# Altium PCB Srt.PcbDoc (part 1 of 2)
Units mm, origin at the board's own origin, x right, y up, seen from the top; angles counter-clockwise.
Board outline 65.29 x 47.26 mm, 2 copper layers (Top Layer, Bottom Layer); 197 components, 133 nets, 629 pads, 293 vias.
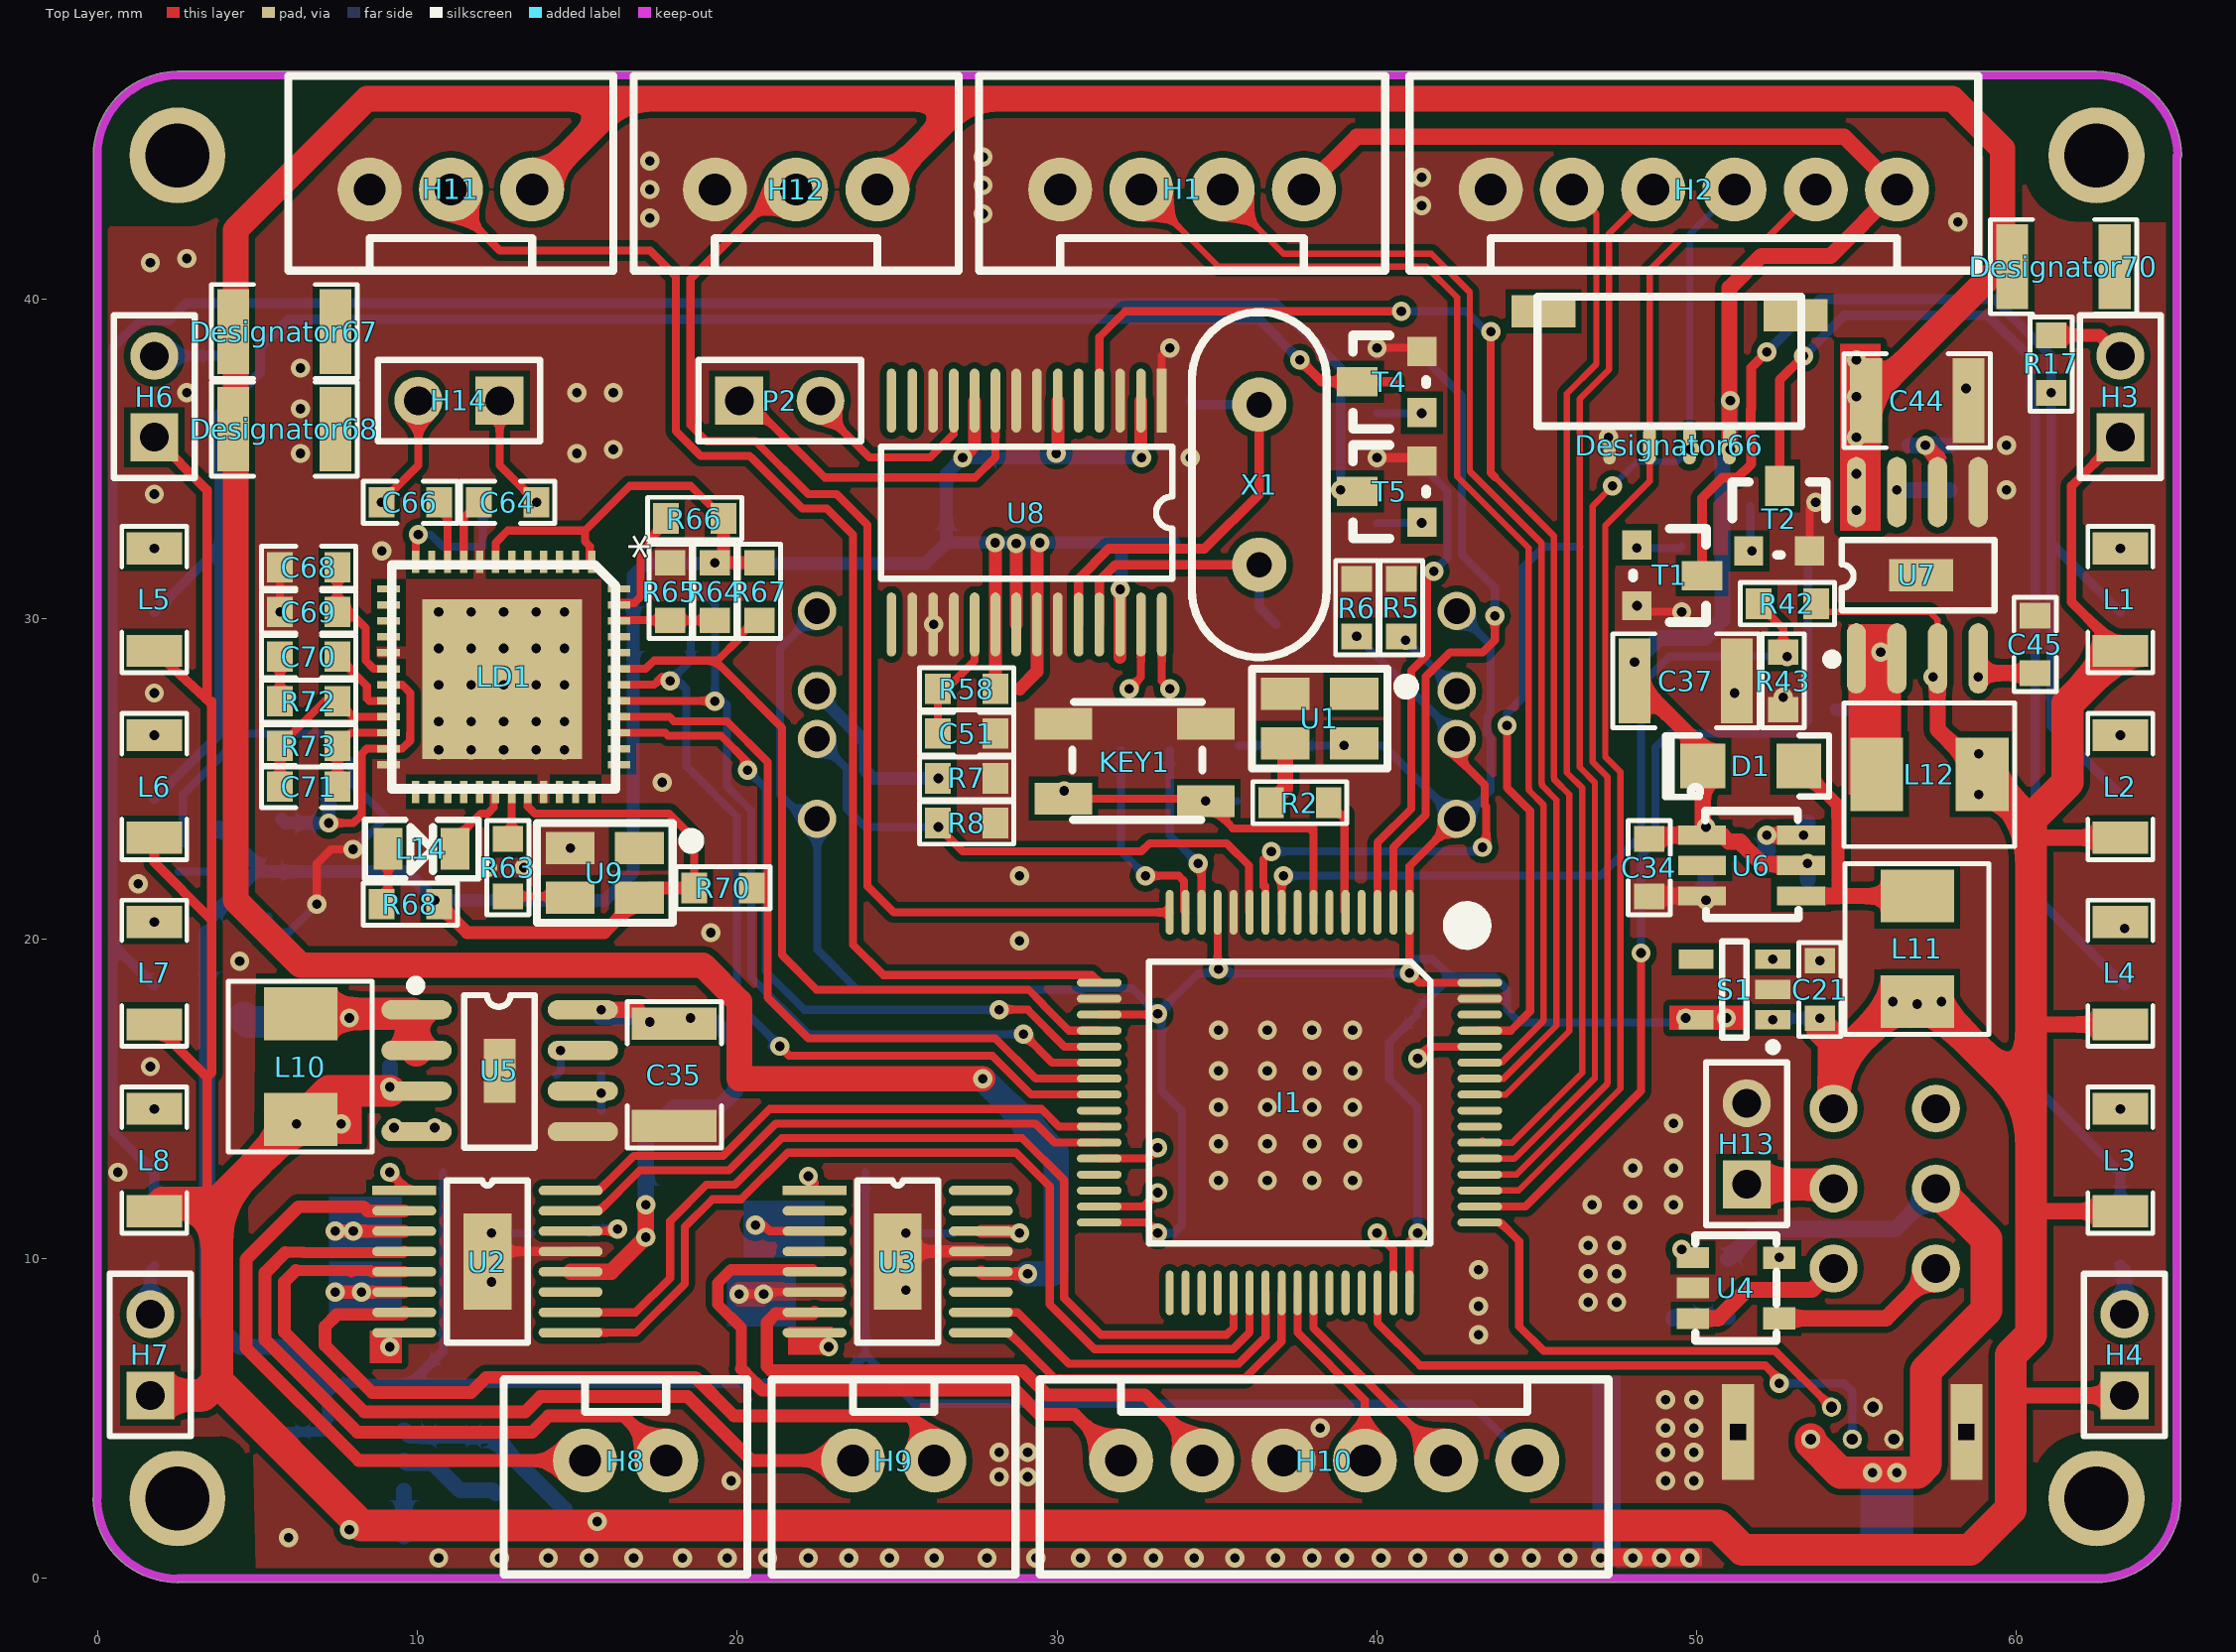
[diagram p0: Top Layer view]
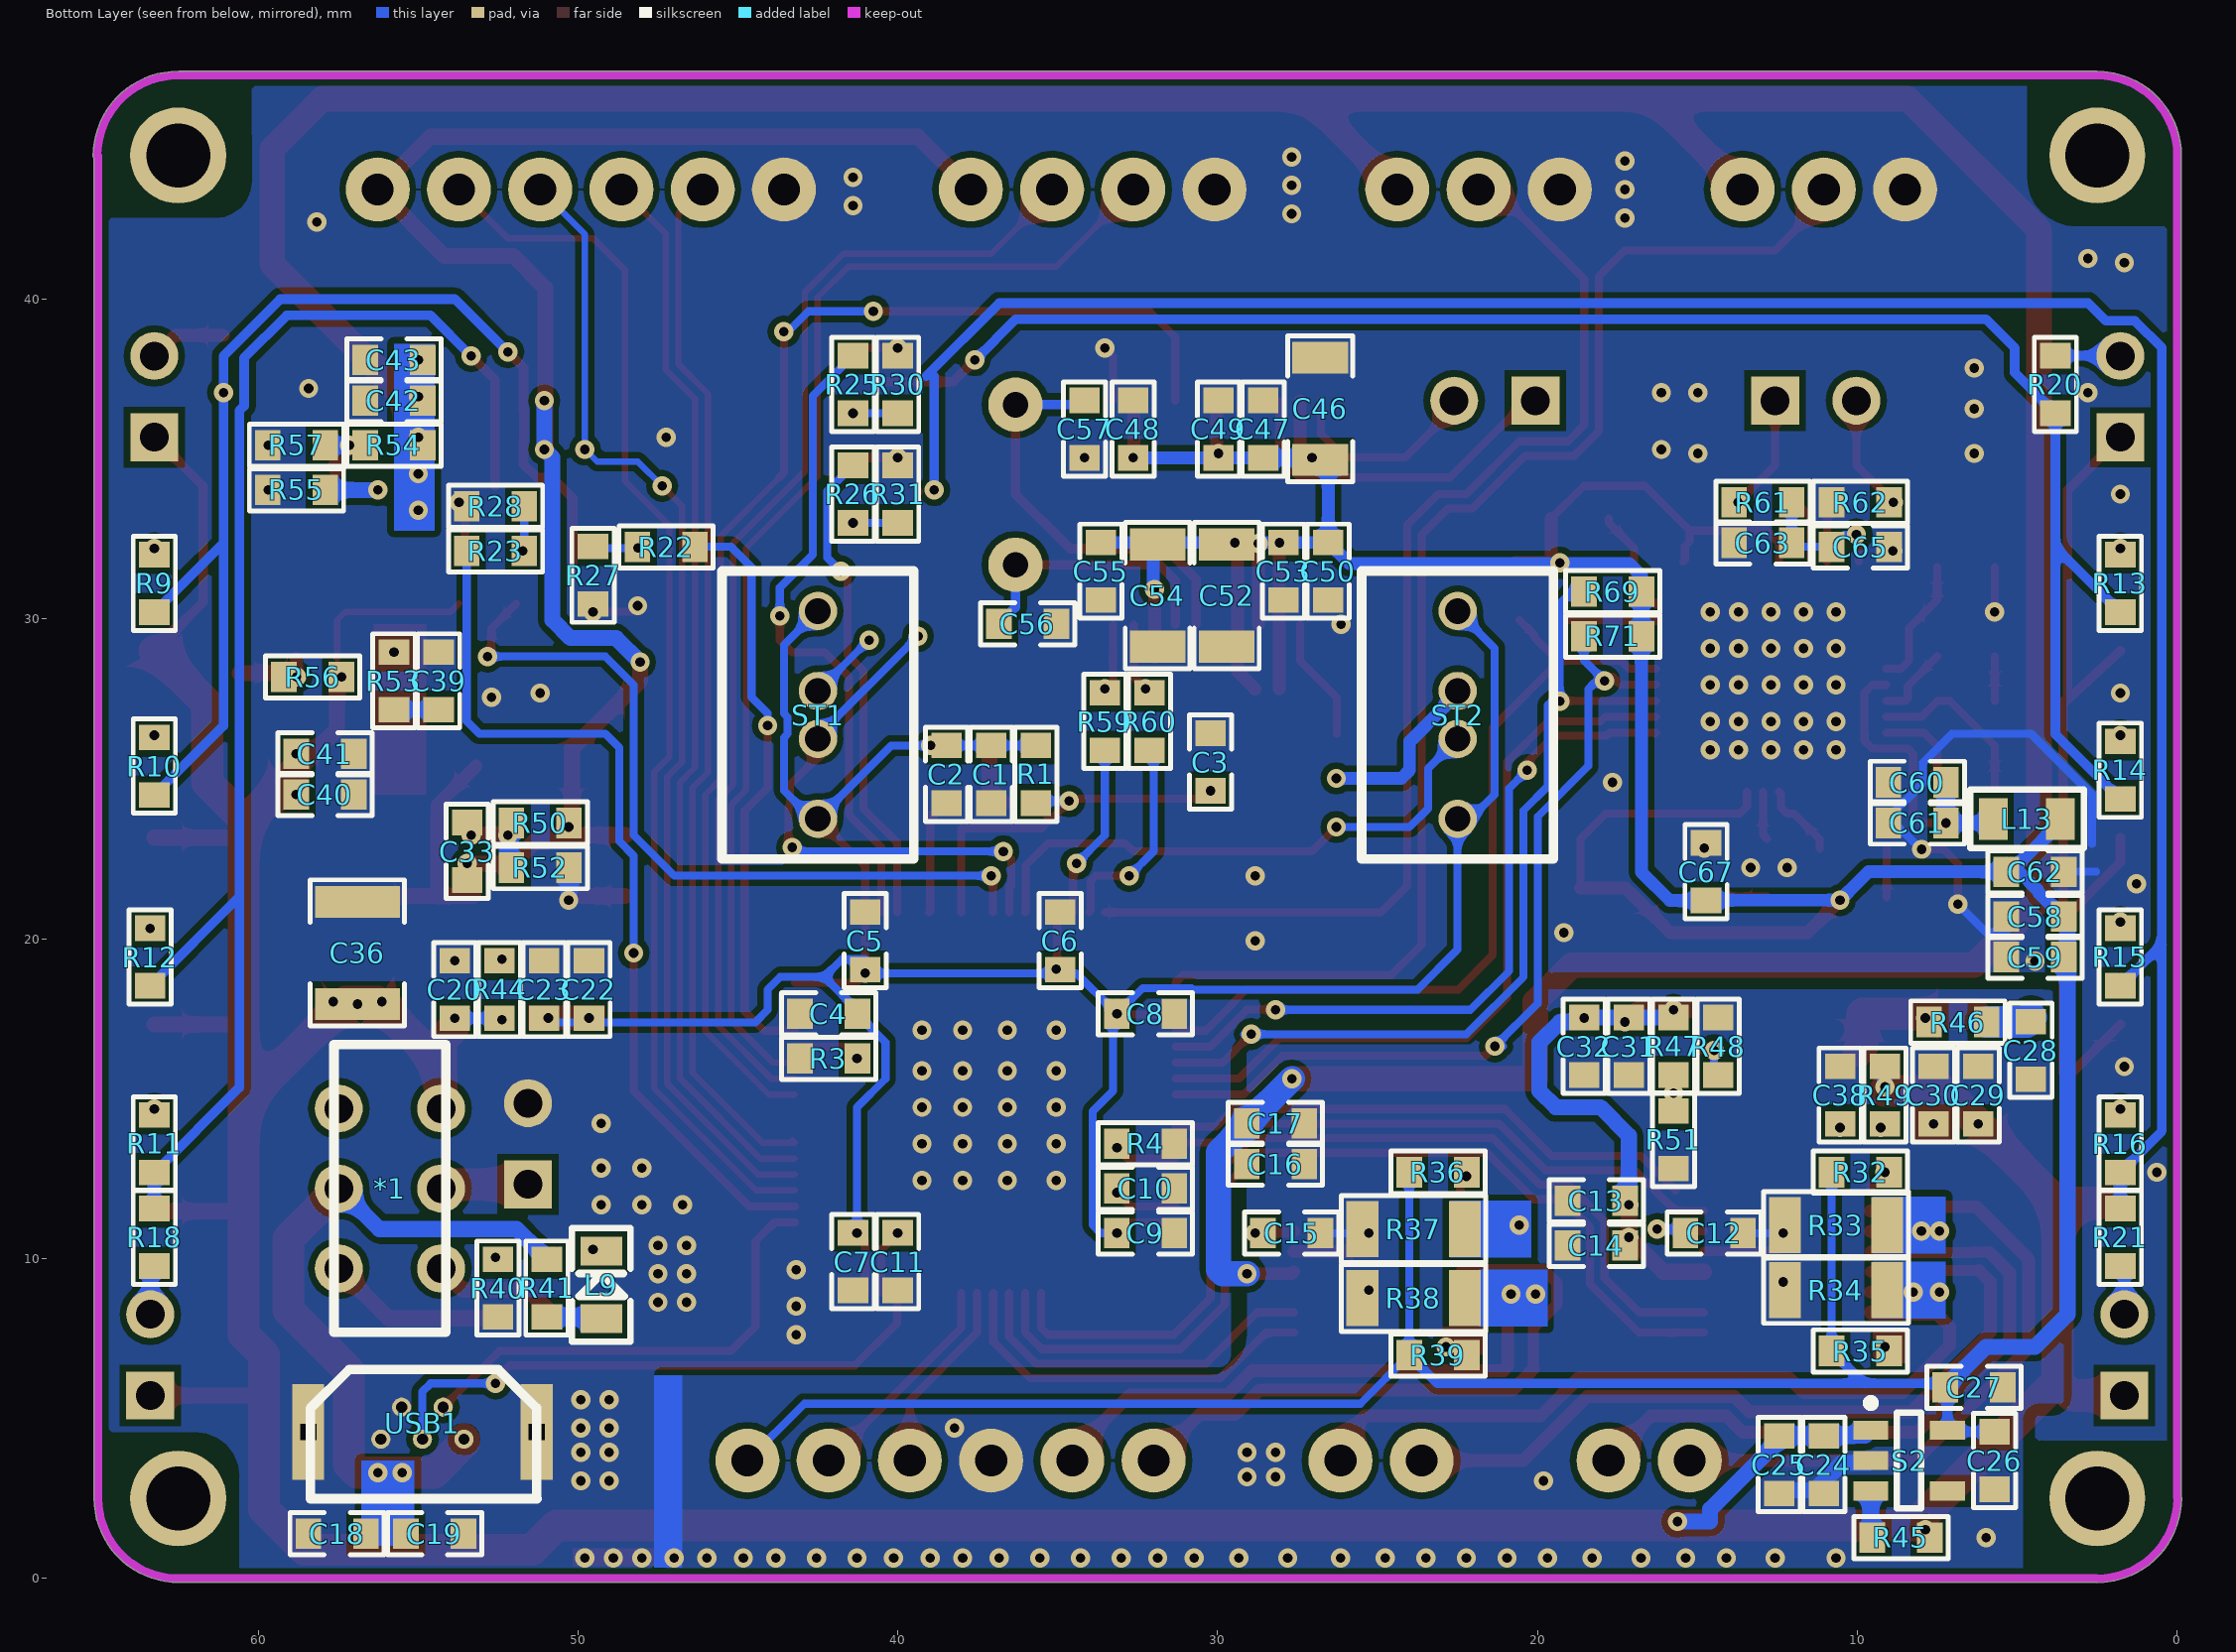
[diagram p1: Bottom Layer view, seen from below]
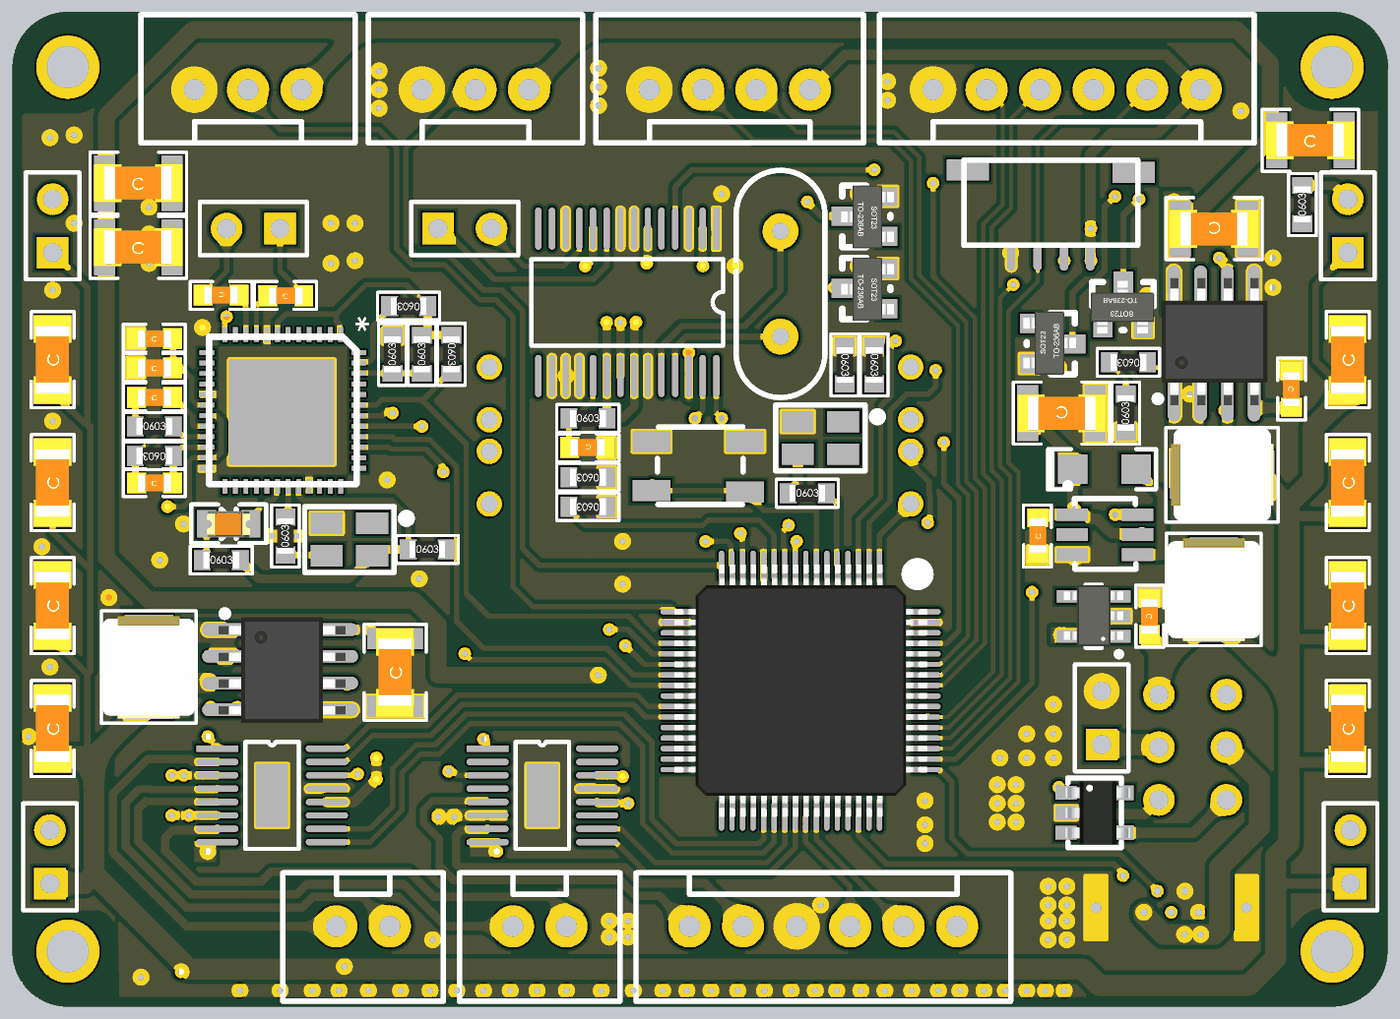
[diagram p3: 3D render of the assembled board from above, using the file's embedded part models]
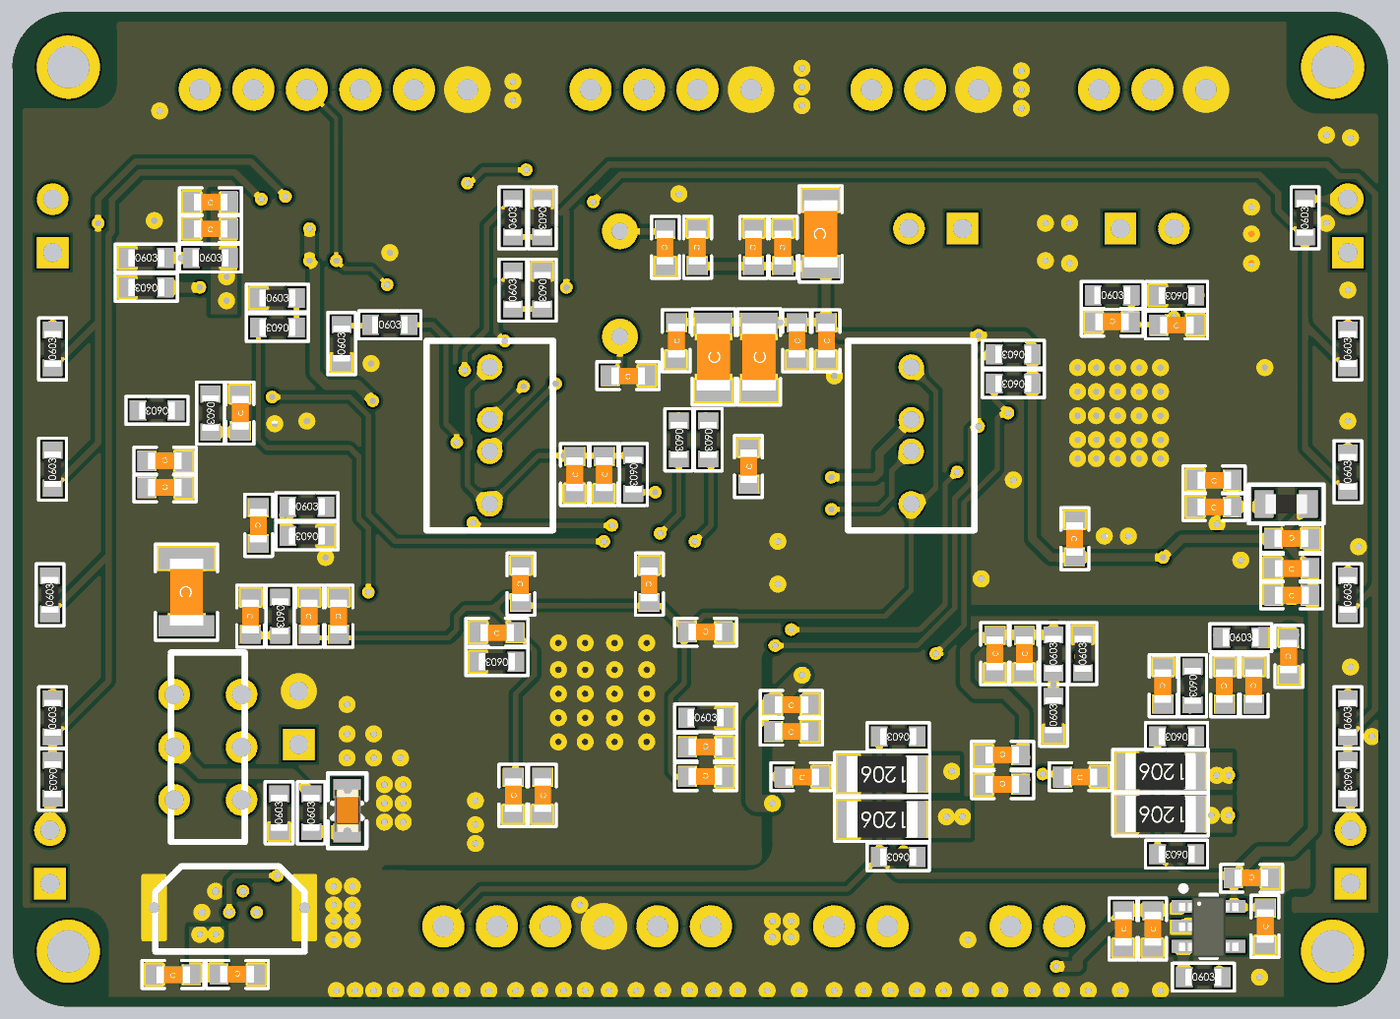
[diagram p4: 3D render of the assembled board from below, using the file's embedded part models]

## Layer stack, top to bottom
Top Solder: solder mask 0.0102, Solder Resist, Dk 3.5
Top Layer: signal copper 0.0356
Dielectric 1: dielectric 0.32, FR-4, Dk 4.8
Bottom Layer: signal copper 0.0356
Bottom Solder: solder mask 0.0102, Solder Resist, Dk 3.5

## Board outline
-0.133,2.5 cw(c-0.006,2.5) -0.127,2.537 cw(c0,2.54) -0.127,2.54 -0.127,44.491 cw(c0,44.5) -0.128,44.5 cw(c2.5,44.5) 2.5,47.128 cw(c2.5,47) 2.509,47.127 62.5,47.127 cw(c62.516,44.487) 65.157,44.487 cw(c62.516,44.487) 65.157,44.484 cw(c65.029,44.484) 65.127,44.403 65.127,2.509 cw(c65,2.5) 65.128,2.5 cw(c62.5,2.5) 62.483,-0.128 cw(c62.484,0) 62.476,-0.127 2.54,-0.127 cw(c2.54,0) 2.537,-0.127 cw(c2.5,-0.006) 2.5,-0.133 cw(c2.5,2.5)

## Design rules (kind name [scope] priority, off if disabled: settings)
Clearance [All] p1: gap=0.2
PlaneConnect [All] p1: planeconnectstyle=Direct reliefexpansion=0.508 reliefentries=4 reliefconductorwidth=0.254 reliefairgap=0.254
PolygonConnect [All] p1: connectstyle=Direct reliefconductorwidth=0.254 reliefentries=4 polygonreliefangle="90 Angle" airgapwidth=0.254
RoutingVias [All] p1: holewidth=0.3 width=0.6 viastyle="Through Hole" minholewidth=0.3 minwidth=0.6 maxholewidth=0.711 maxwidth=1.27
SolderMaskExpansion [All] p1: expansion=0.102
Width [All] p1: maxlimit=1 minlimit=0.2 preferedwidth=0.2
29 further rules are at their usual default settings.

## Classes and differential pairs
component class 主控: C1 C2 C3 C4 C5 C6 C7 C8 C9 C10 C11 I1 KEY1 R1 R2 R3 R4 U1
component class 其他: H1 H2 H3 H4 H6 H7 L1 L2 L3 L4 L5 L6 L7 L8 R5 R6 R7 R8 R9 R10 R11 R12 R13 R14 R15 R16 R17 R18 R20 R21 R22 R23 R25 R26 R27 R28 R30 R31 ST1 ST2 T1 T2 T4 T5
component class 电机,舵机: C12 C13 C14 C15 C16 C17 H8 H9 H10 H11 H12 R32 R33 R34 R35 R36 R37 R38 R39 U2 U3
component class 电源: *1 C18 C19 C20 C21 C22 C23 C24 C25 C26 C27 C28 C29 C30 C31 C32 C33 C34 C35 C36 C37 C38 C39 C40 C41 C42 C43 C44 C45 D1 H13 L9 L10 L11 L12 R40 R41 R42 R43 R44 R45 R46 R47 R48 R49 R50 R51 R52 R53 R54 R55 R56 R57 S1 S2 U4 U5 U6 U7 USB1
component class 语音合成: C46 C47 C48 C49 C50 C51 C52 C53 C54 C55 C56 C57 P2 R58 R59 R60 U8 X1
component class 语音识别: C58 C59 C60 C61 C62 C63 C64 C65 C66 C67 C68 C69 C70 C71 H14 L13 L14 LD1 R61 R62 R63 R64 R65 R66 R67 R68 R69 R70 R71 R72 R73 U9
